# Altium PCB GN-1846-E-V2.PcbDoc (part 1 of 8)
Units mil, origin at the board's own origin, x right, y up, seen from the top; angles counter-clockwise.
Board outline 3750.16 x 2671.81 mil, 4 copper layers (TOP, GND, POWER, BOTTOM), stack 40.359 mil thick; 456 components, 457 nets, 2346 pads, 1495 vias.
Unrouted connection lines stored in the file: 4.
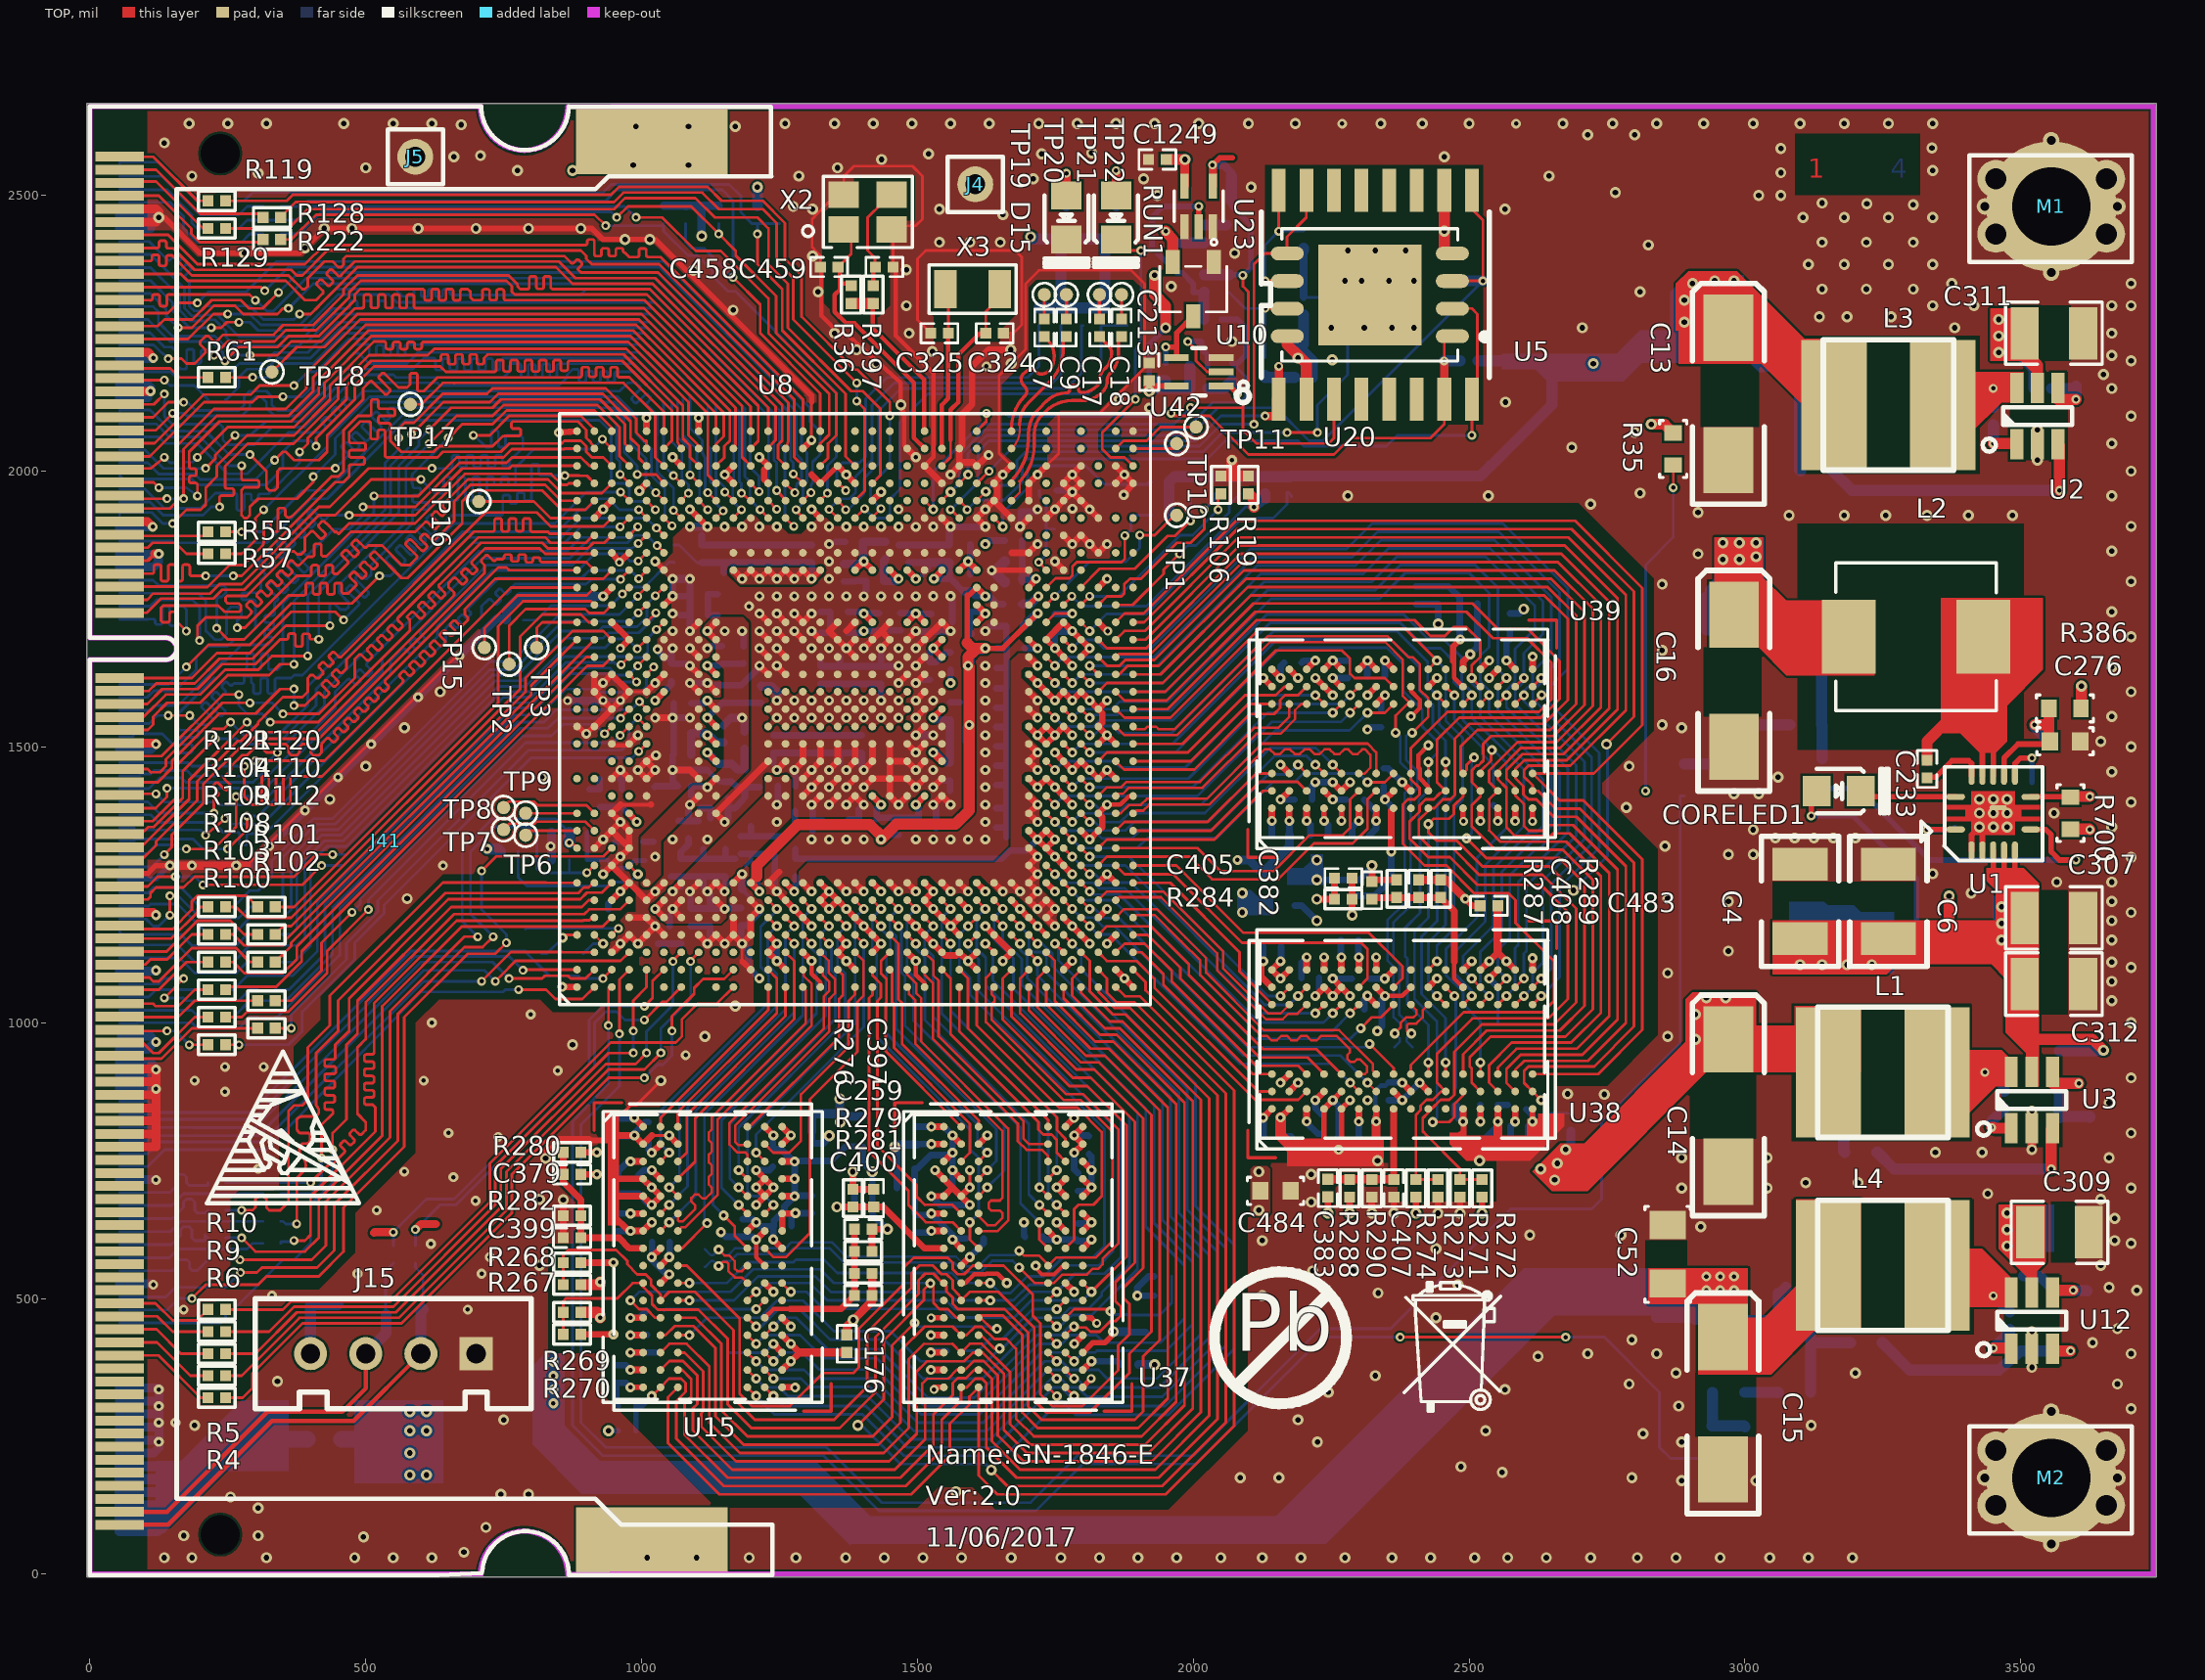
[diagram p0: TOP view]
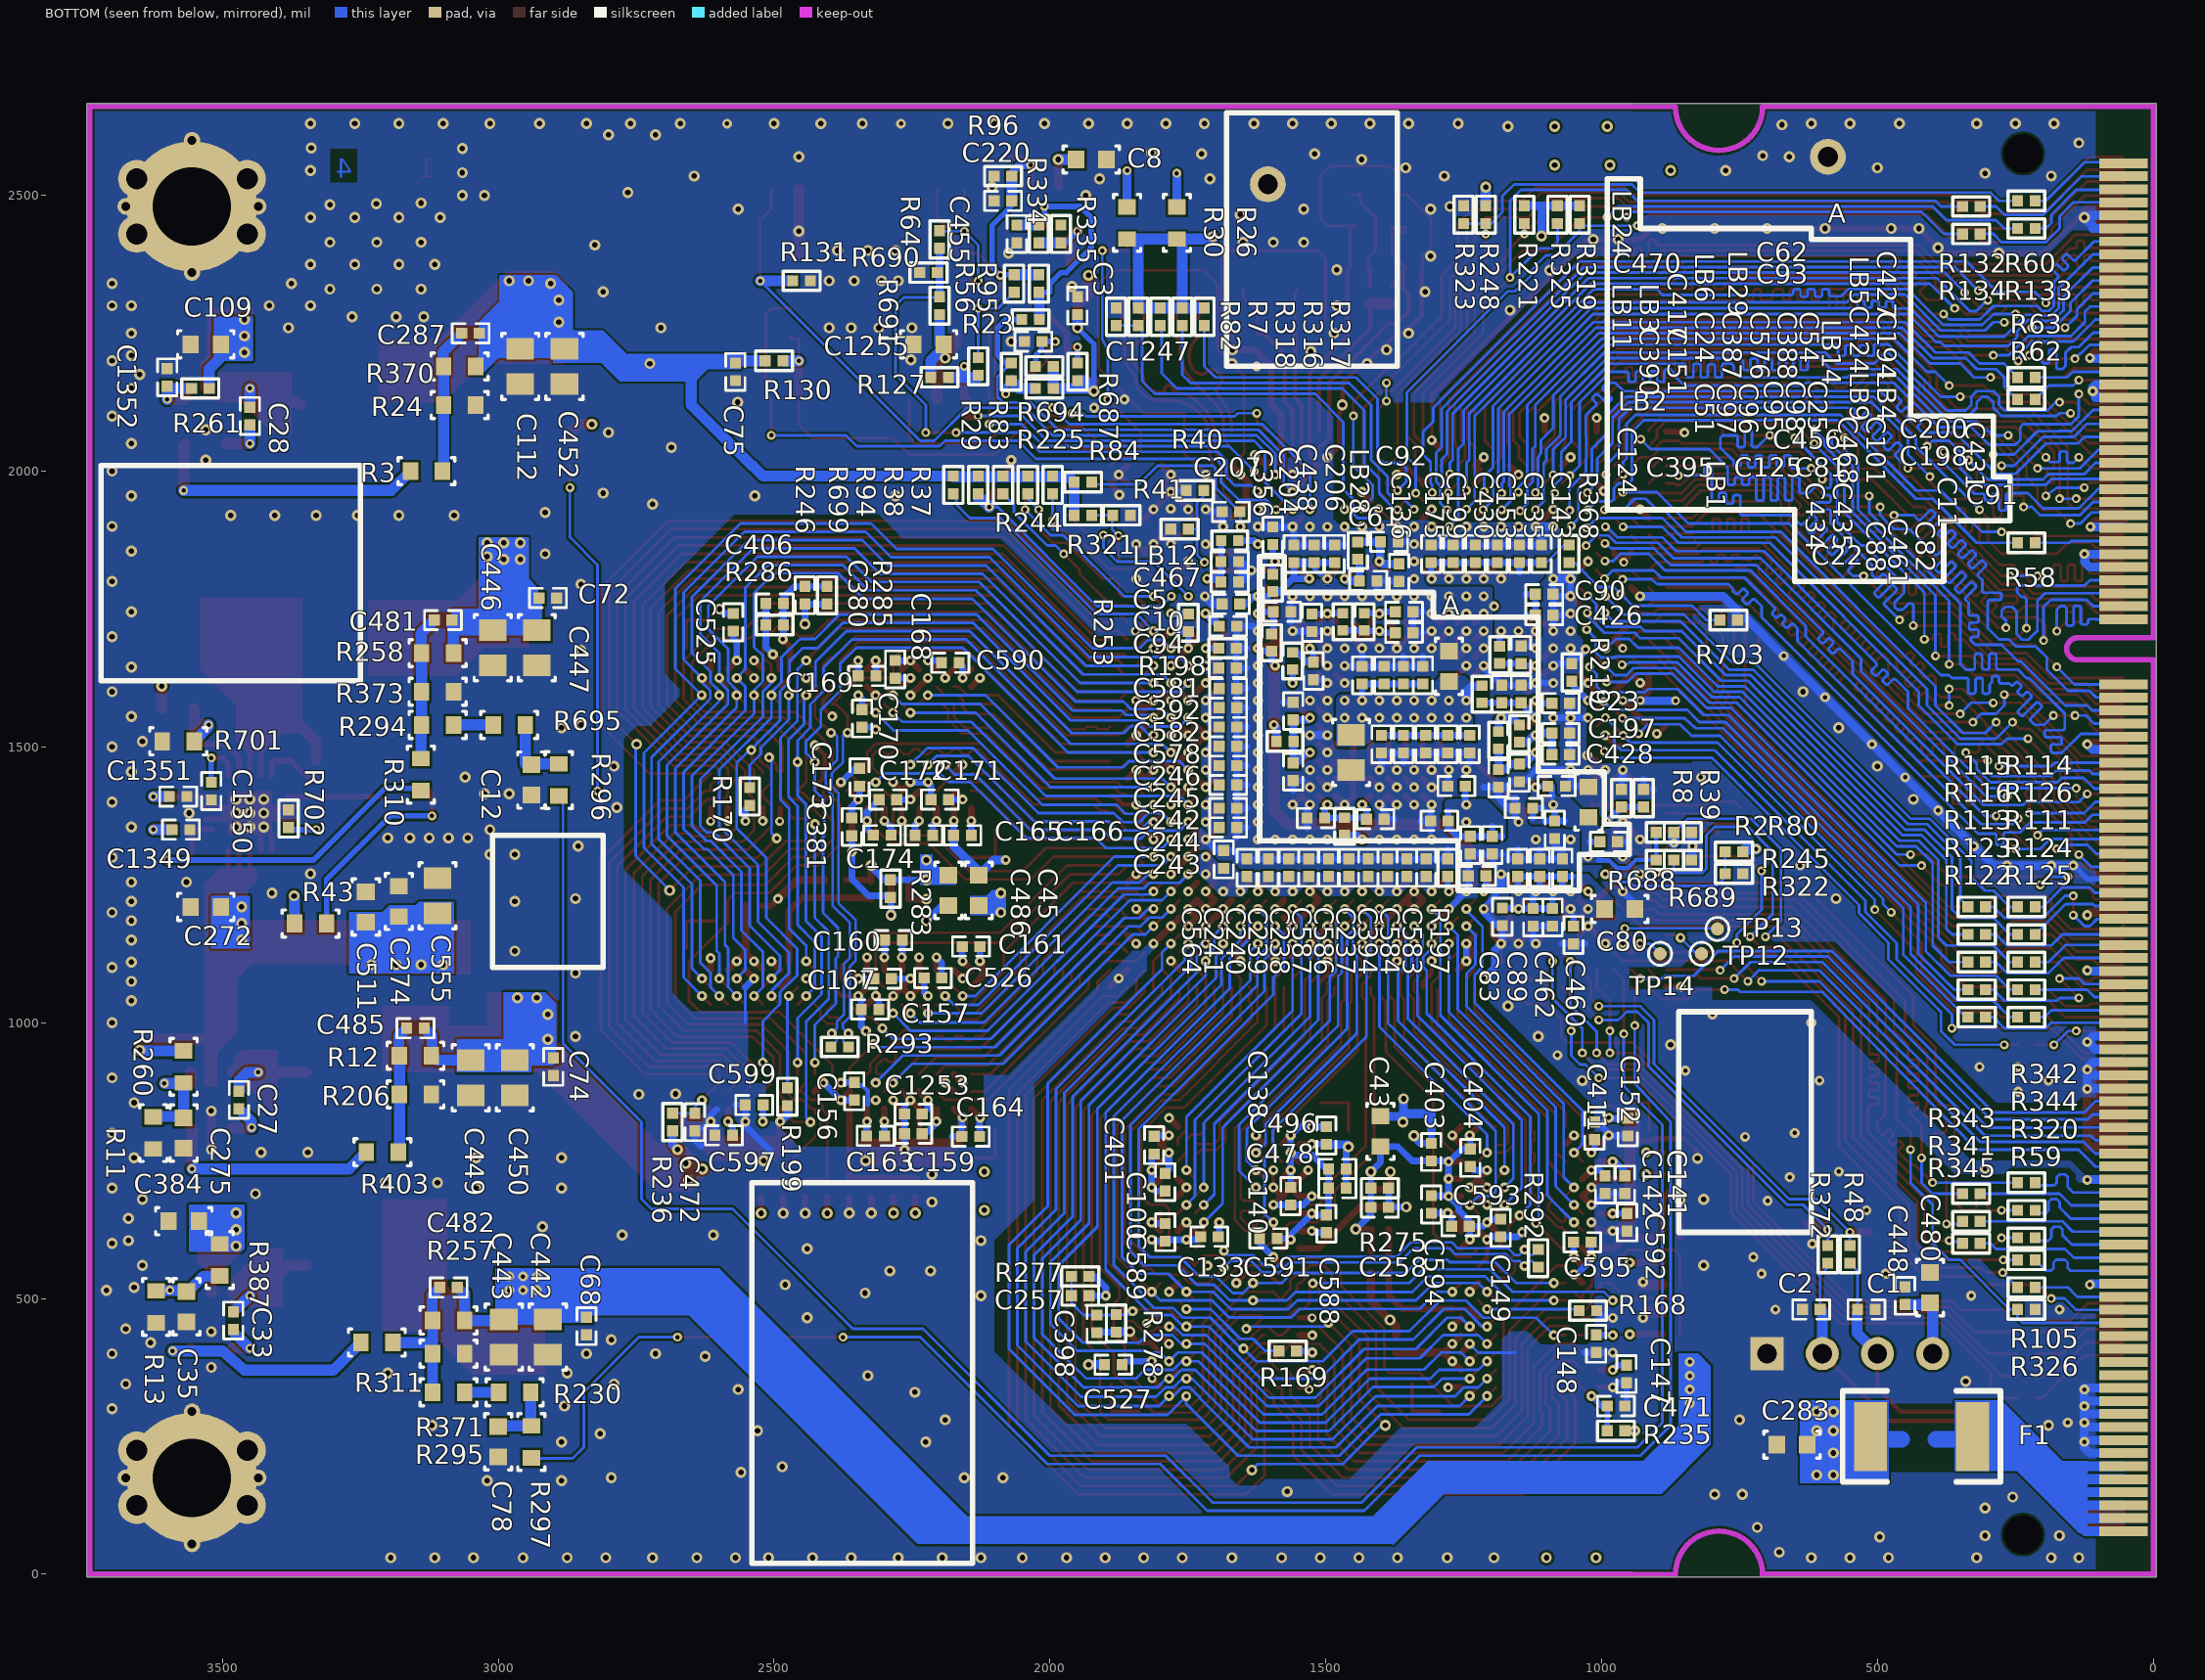
[diagram p1: BOTTOM view, seen from below]
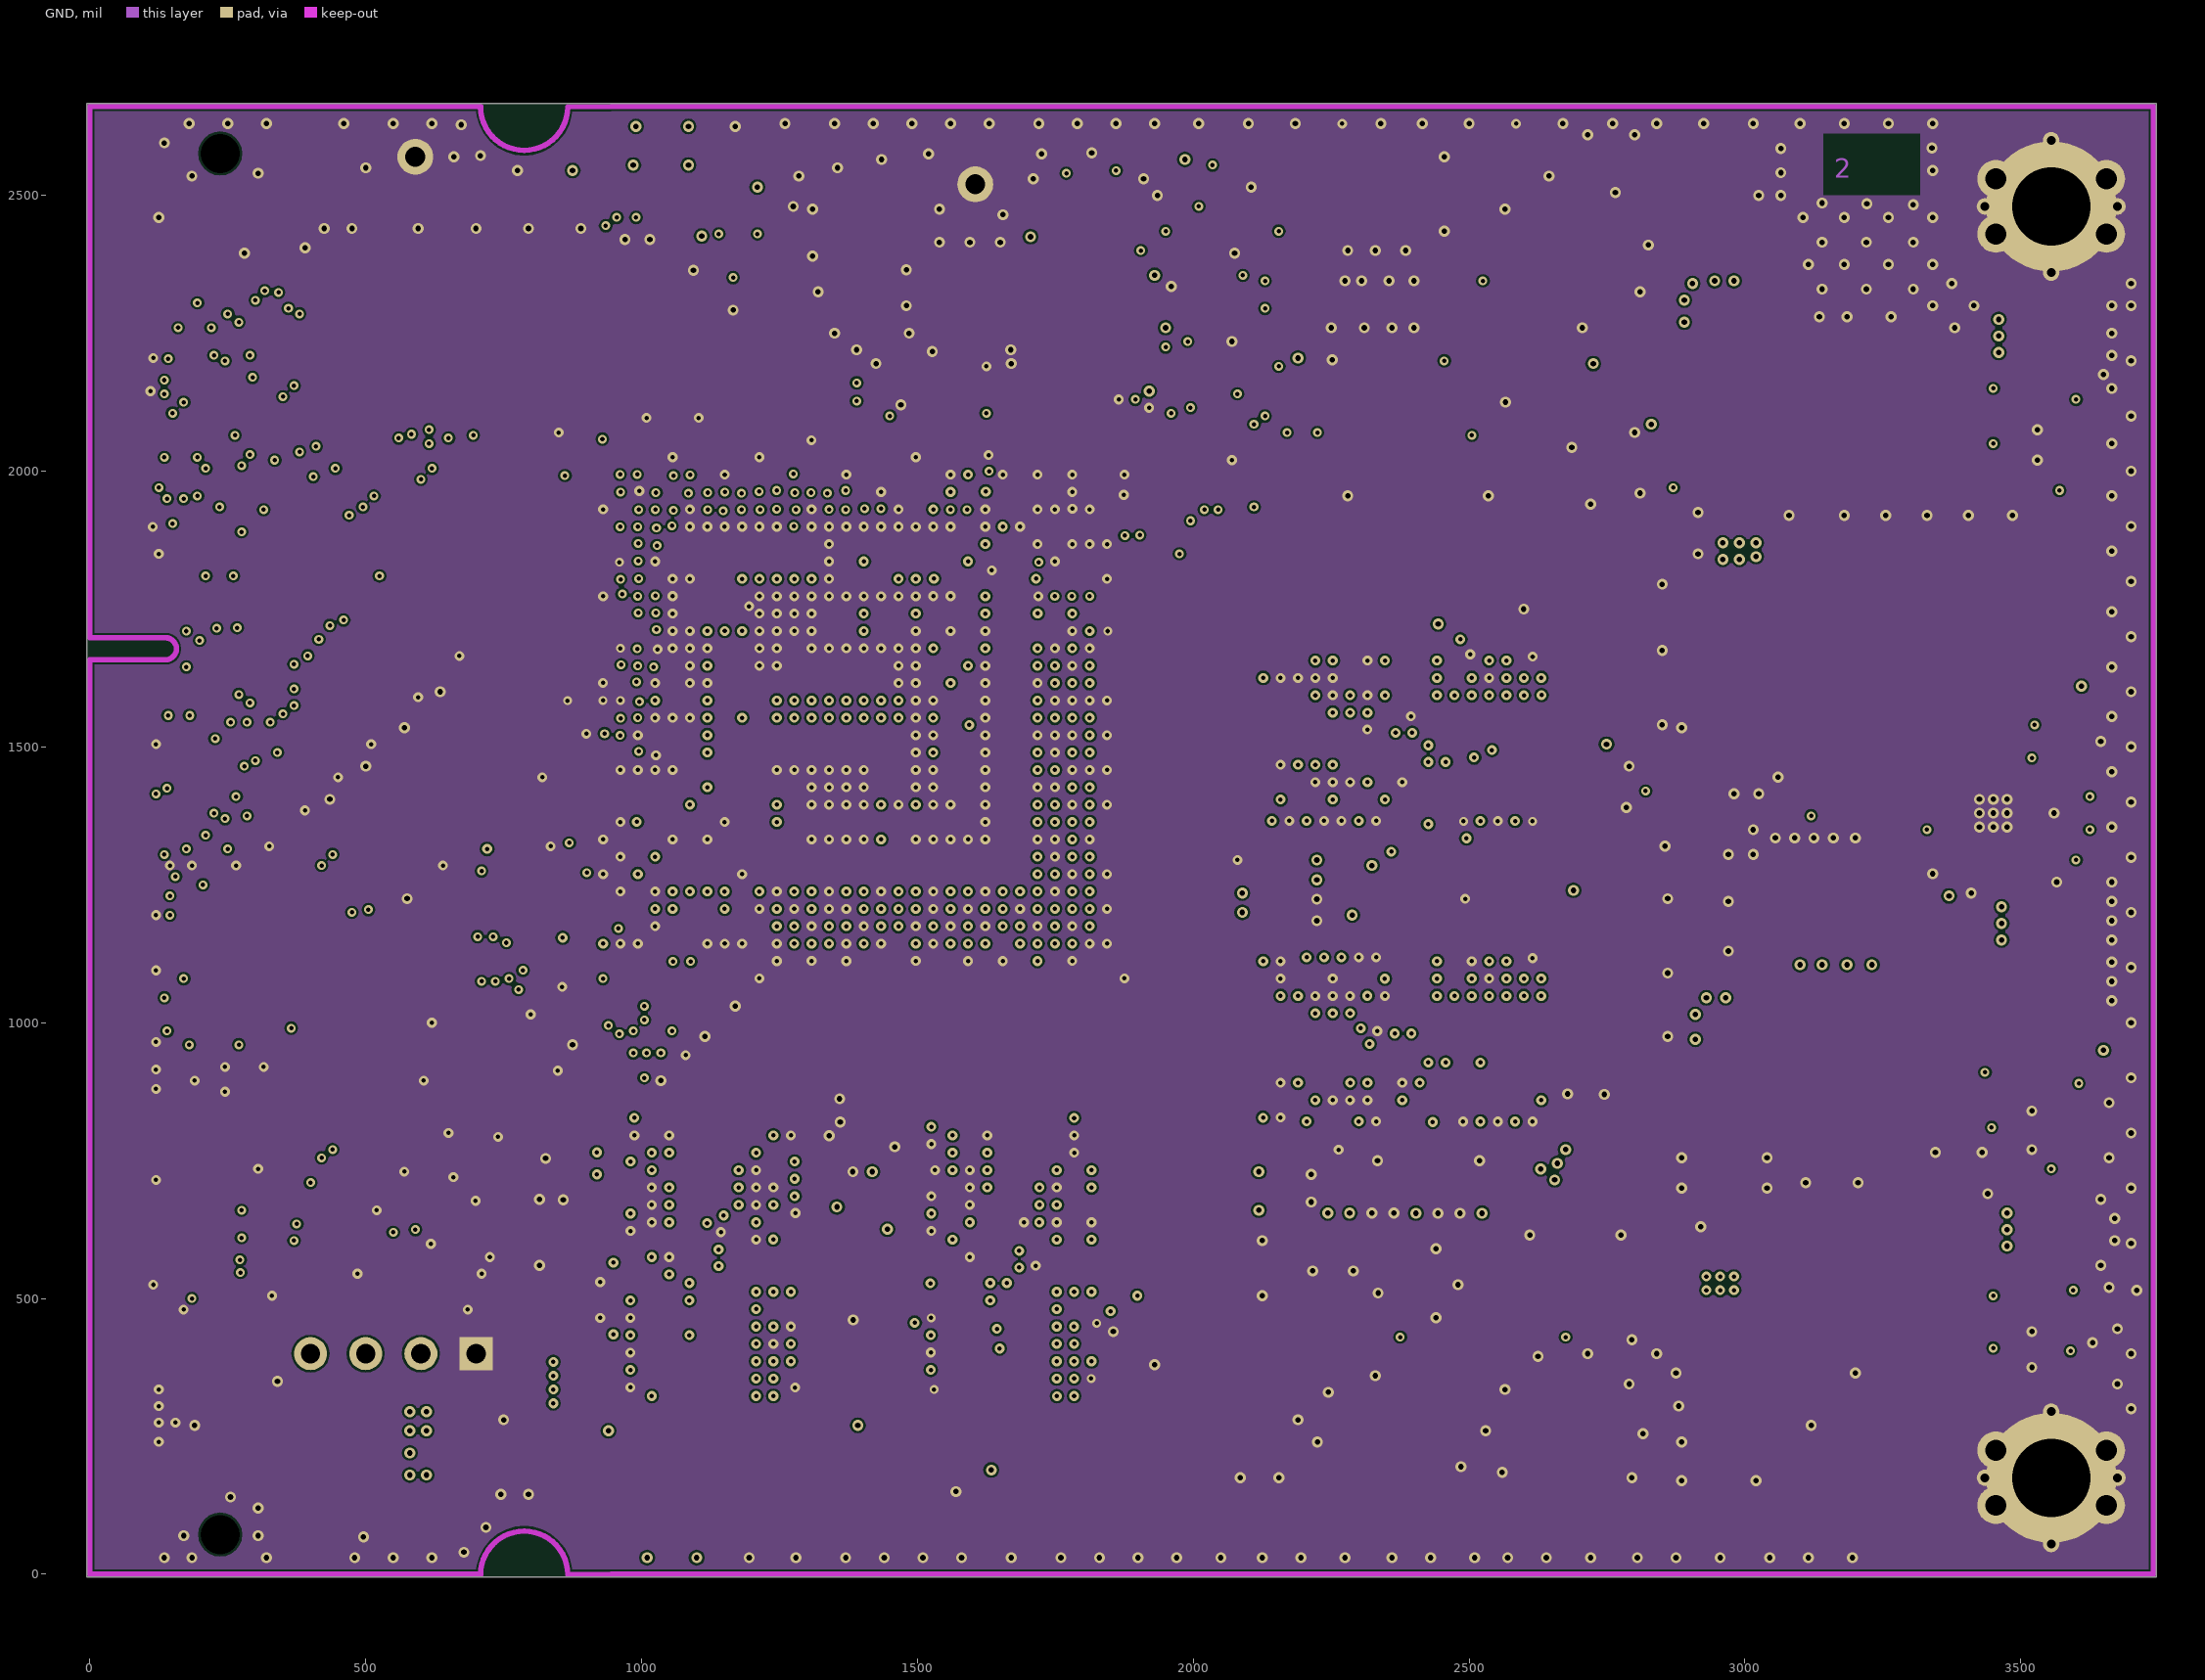
[diagram p2: GND]
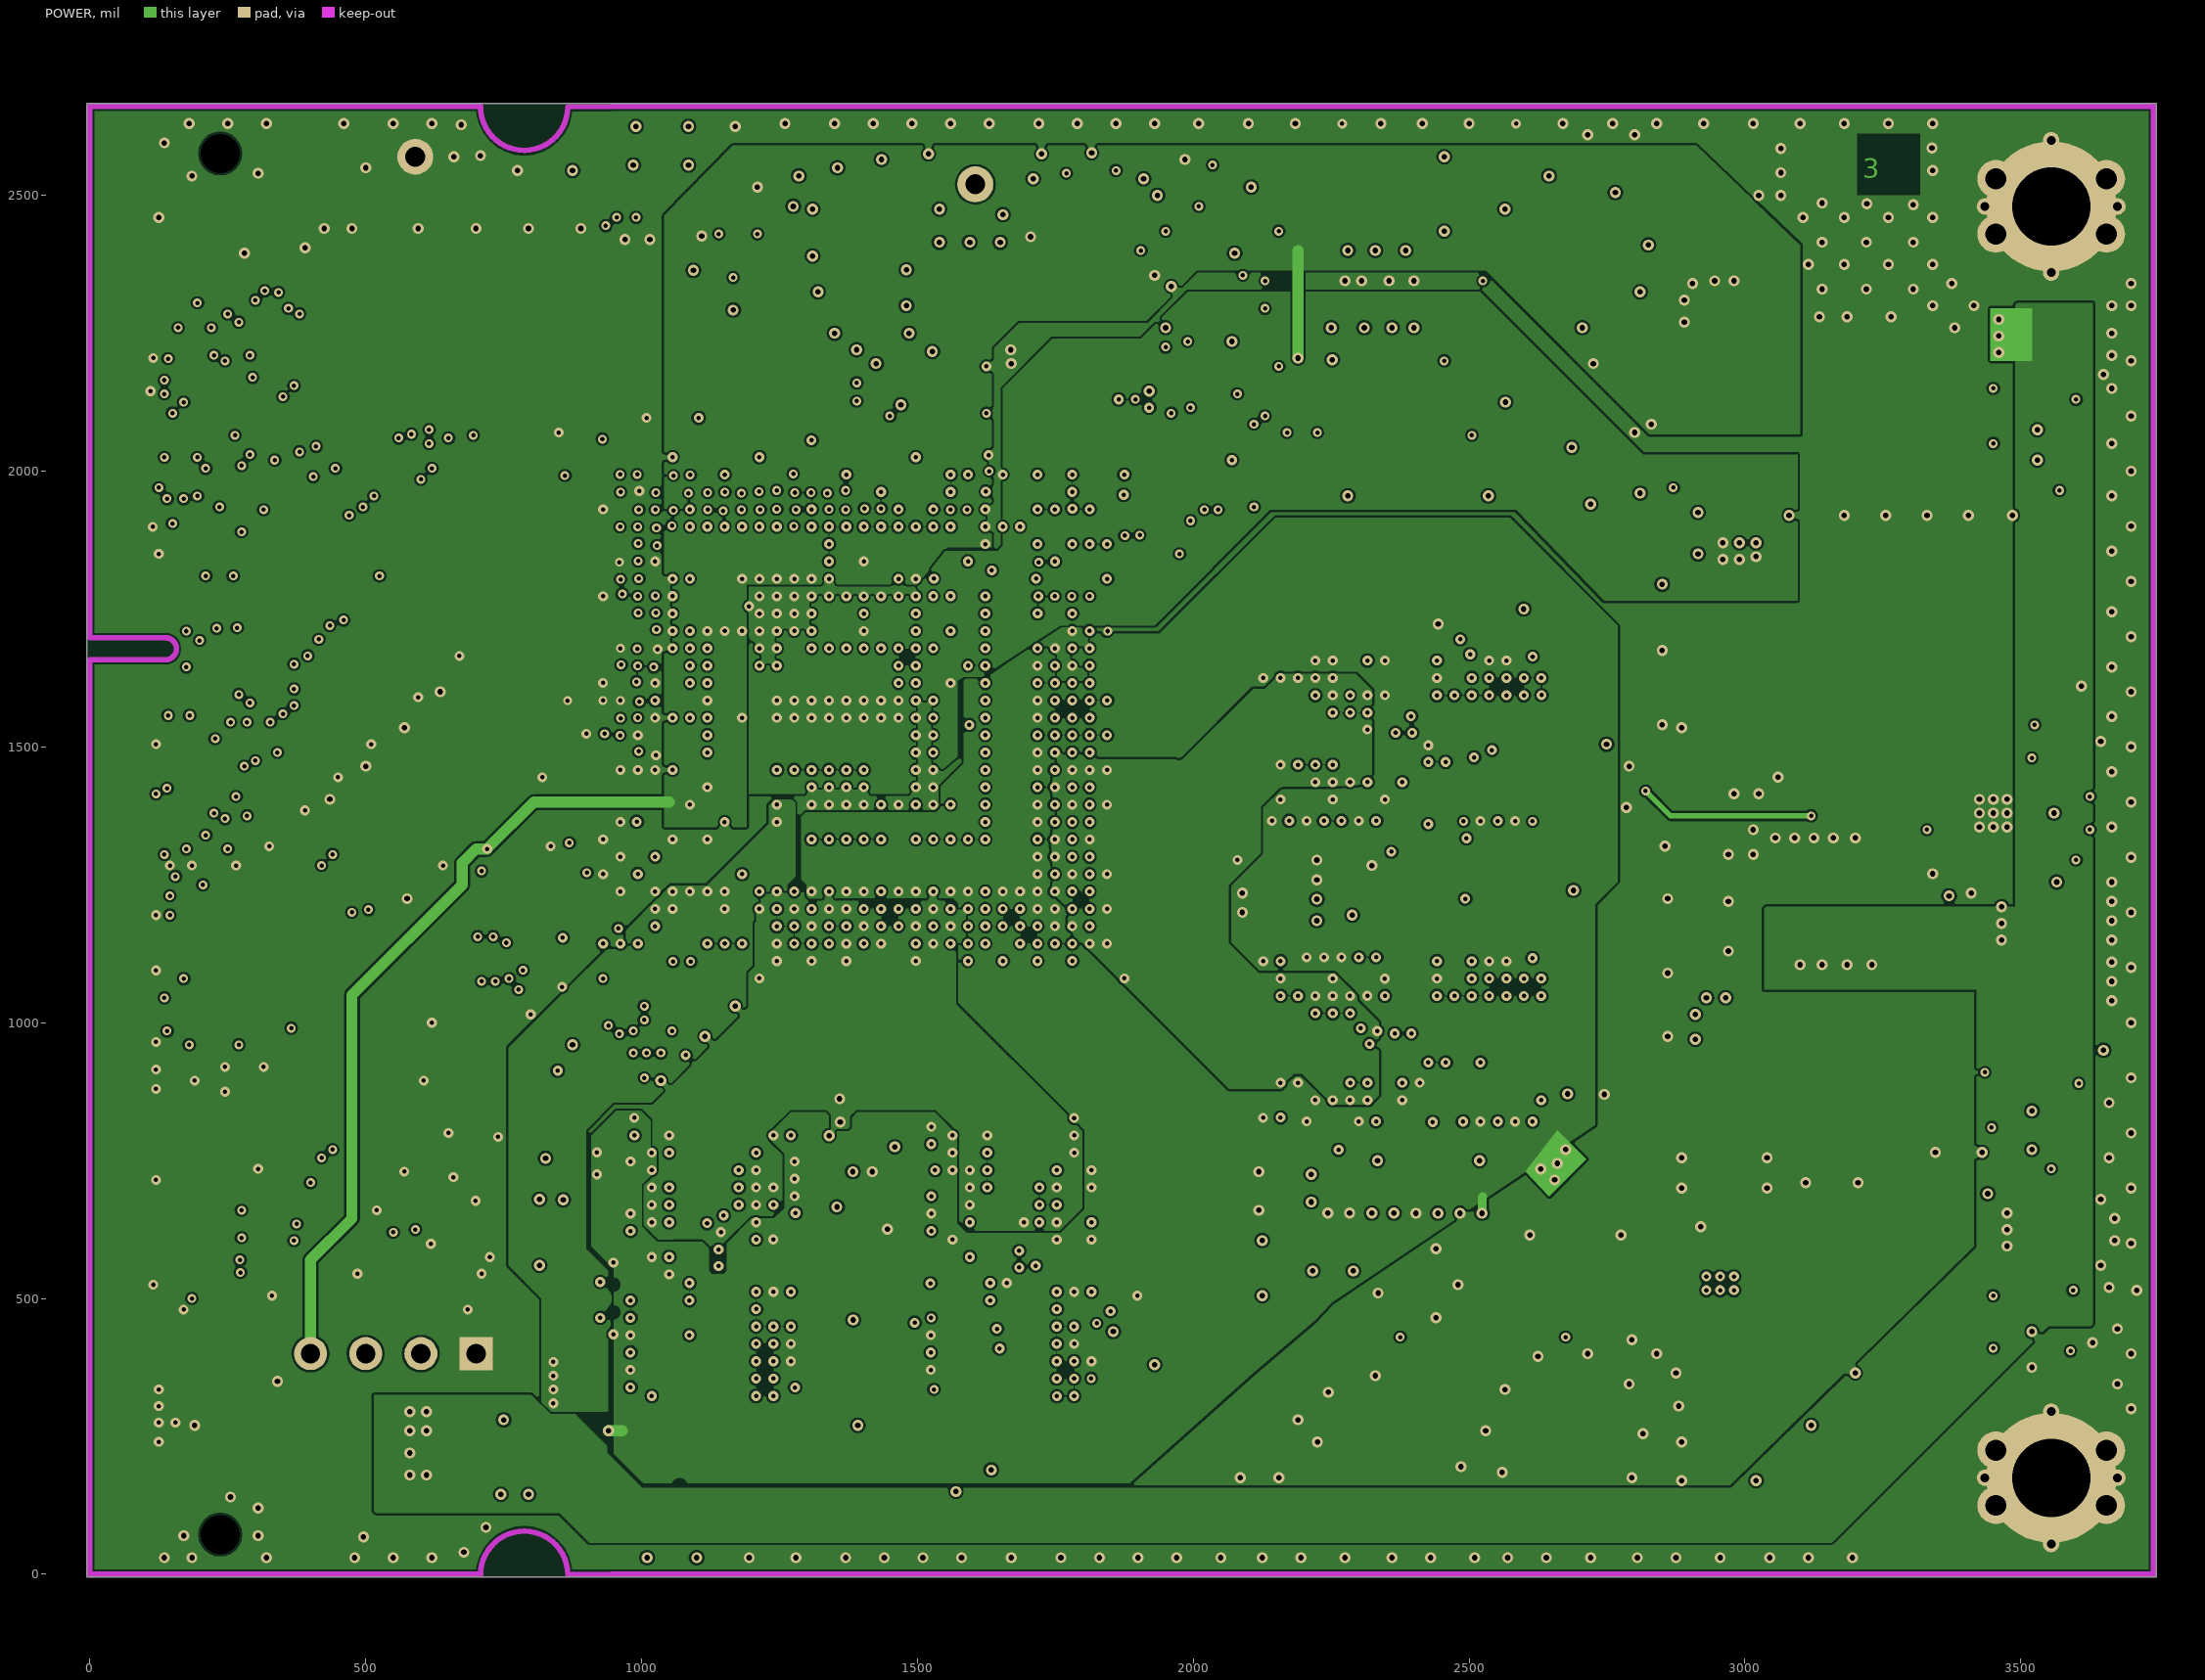
[diagram p3: POWER]

## Layer stack, top to bottom
TOP: signal copper 1.2
Dielectric: dielectric 4, FR-4, Dk 4.5
GND: signal copper 1.2
Dielectric: dielectric 27.5591, FR-4, Dk 4.5
POWER: signal copper 1.2
Dielectric: dielectric 4, FR-4, Dk 4.5
BOTTOM: signal copper 1.2

## Board outline
-5,-5.39 3745.16,-5.39 3745.16,2666.42 -5,2666.42
